# KiCad board ardumower mega shield svn.kicad_pcb (continued)
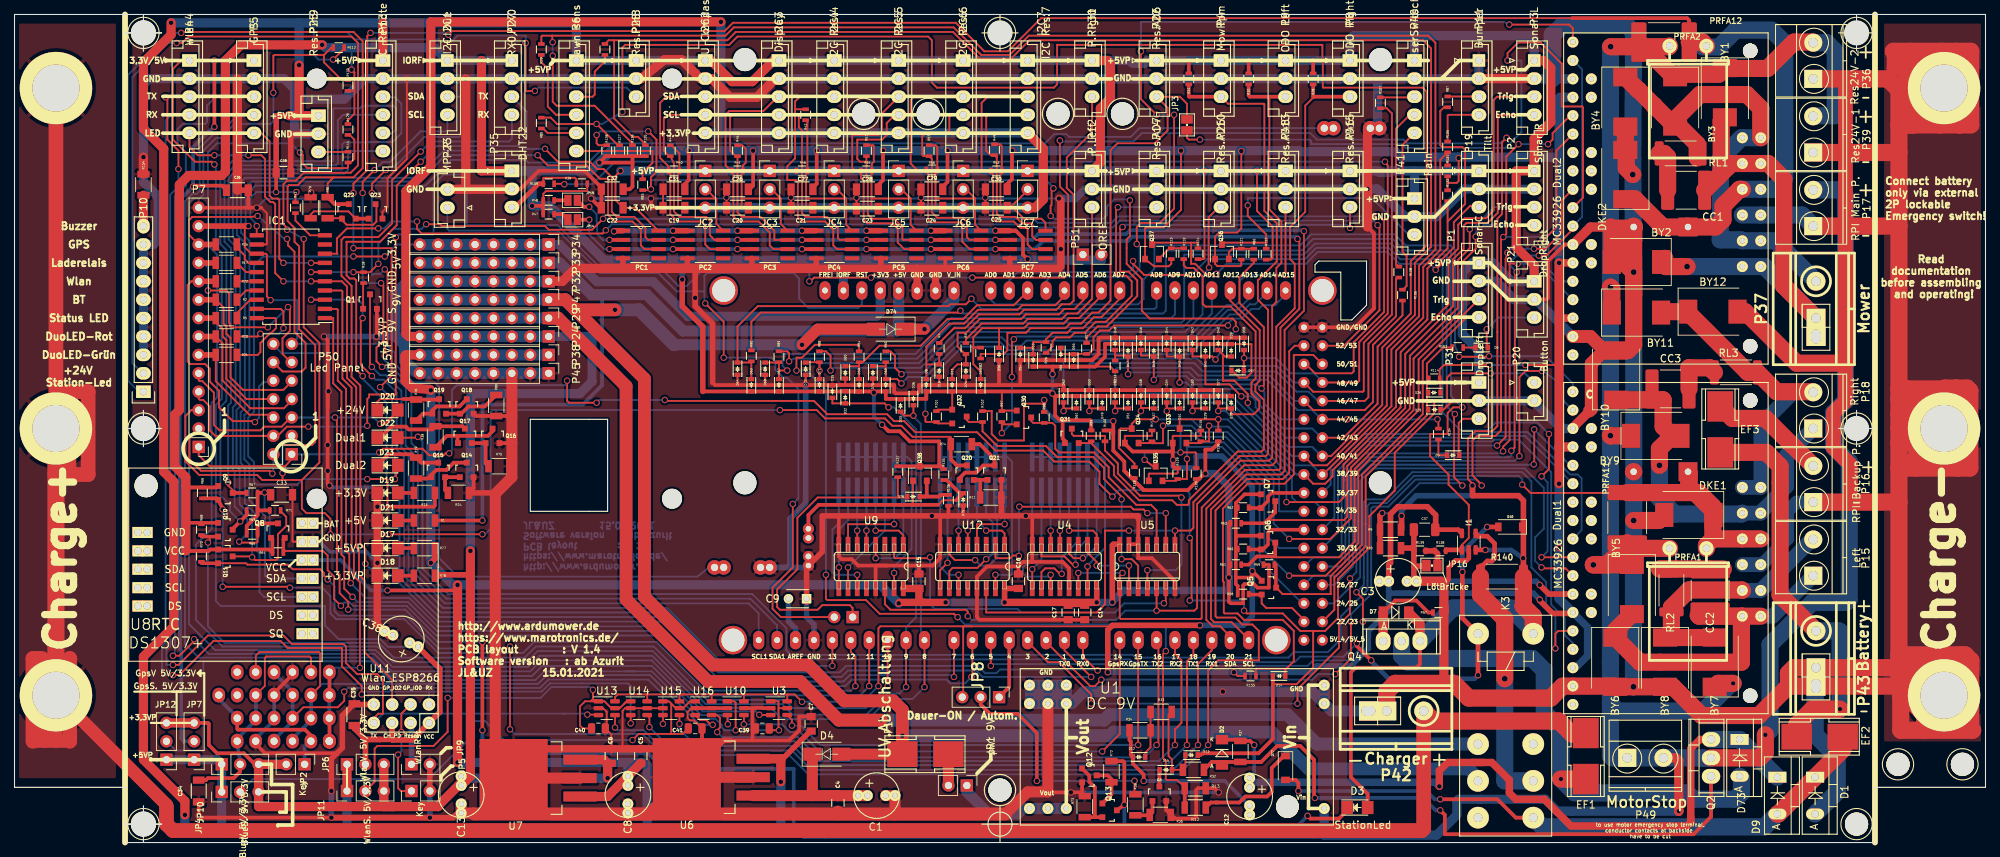
[diagram p0: board, top side]
## Nets (continued)
/Anschlußstecker/Eingang3: P4.3 R31.2 U5.8 U12.14
/Batterieeingang 24V: C12.1 D2.1 D9.1 D73.1 Q2.3 R37.1
/Eingang: D73.2 EF1.2 Q4.2
/Motortreiber/D1_M1_IN1: BY5.2 BY6.1 CC2.1 Dual1.19 P15.1
/Motortreiber/D1_M1_IN1_1: BY9.2 BY10.1 CC3.1 Dual1.23 P18.1
/Motortreiber/D1_M1_IN2: BY11.2 BY12.1 Dual1.24 P18.2 RL3.2
/Motortreiber/D1_M1_IN2_1: BY7.2 BY8.1 Dual1.20 P15.2 RL2.2
/Motortreiber/D2_M2_IN1: BY1.2 BY2.1 CC1.1 Dual2.19 Dual2.23 P37.1
/Motortreiber/D2_M2_IN2: BY3.2 BY4.1 Dual2.20 Dual2.24 P37.2 RL1.2
/Vout-: I1.4 K3.12 R140.2
Charg_Pin_+: B9.1 B10.1 B11.1 EF1.1 P42.2
DHT22: P35.3 R39.2 R109.1
DropLeft: D5.1 P31.3
DropRight: D6.1 P21.3
Dual1: C10.1 D22.2 DKE1.1 Dual1.22 PRFA1.1 PRFA11.1
Dual2: C11.1 D23.2 DKE2.1 Dual2.22 PRFA2.1 PRFA12.1
DuoLED-Rot: IC1.2 SHIELD1.7
DuoLED_Grün: IC1.1 SHIELD1.6
GPS-LED: IC1.7 P5.5
GPS_RX: SHIELD1.15 U3.4
GPS_TX: SHIELD1.14 U10.4
IOREF: C3.1 C26.1 C27.1 C28.1 C29.1 C30.1 C31.1 C32.1 C37.1 D8.1 D11.1 D26.1 D28.1 D29.1 D31.1 D32.1 D33.1 D37.1 D39.1 D41.1 D43.1 D45.1 D47.1 D49.1 D51.1 D53.1 D55.1 D57.1 D59.1 D61.1 D63.1 D65.1 D67.1 D69.1 D71.1 Dual1.3 Dual1.6 Dual1.15 Dual2.3 Dual2.6 Dual2.15 I1.5 I2C1.1 JP8.3 P27.1 P35.1 P51.1 P51.2 PC1.1 PC2.1 PC3.1 PC4.1 PC5.1 PC6.1 PC7.1 Q5.1 Q6.1 Q7.1 Q8.1 Q9.1 Q10.1 Q11.1 Q30.1 Q31.1 Q32.1 Q33.1 Q34.1 Q35.1 Q36.1 Q37.1 Q38.3 R39.1 R47.1 R48.1 R58.1 R60.1 R62.1 R64.1 R66.1 R68.1 R70.1 R97.1 R99.1 R101.1 R113.2 R114.2 R115.1 R117.1 R119.1 R121.1 R123.1 R125.2 R126.2 R127.2 R128.2 R129.2 R130.2 R131.2 R132.2 R133.2 R135.1 R137.2 SHIELD1.IORE U3.6 U10.6 U13.6 U14.6 U15.6 U16.6
Led-BT: IC1.4 U2.LED
Led-Status: IC1.3 SHIELD1.13
Led-Wlan: IC1.5 P44.5 U11.GP_2
no_connect_300: Dual1.1
no_connect_301: Dual1.11
no_connect_302: Dual1.12
no_connect_303: Dual2.1
no_connect_304: Dual2.11
no_connect_305: Dual2.12
no_connect_306: IC1.9
no_connect_307: K3.14
no_connect_308: PC1.5
no_connect_309: PC2.5
no_connect_310: PC3.5
no_connect_311: PC4.5
no_connect_312: PC5.5
no_connect_313: PC6.5
no_connect_314: PC7.5
no_connect_315: SHIELD1.5V_4
no_connect_316: SHIELD1.5V_5
no_connect_317: SHIELD1.FREI
no_connect_318: U12.12
no_connect_319: U12.3
no_connect_320: U4.12
no_connect_321: U4.3
no_connect_322: U8.1
no_connect_323: U9.12
no_connect_324: U9.3
pinBatteryVoltage: R12.2 R13.1 R84.1
pinBumperLeft: P11.4 R105.1
pinBumperRight: P11.3 R87.1
pinButton: D14.2 R133.1 SHIELD1.51
pinBuzzer: IC1.8 SHIELD1.53
pinChargeCurrent: I1.1 R90.1 R138.1
pinChargeVoltage: R9.2 R10.1 R89.1
pinChargingEnable: IC1.6 R18.1 SHIELD1.50
pinLawnBackRecv: P6.6 R83.1
pinLawnBackSend: P6.5 R85.1
pinLawnFrontRecv: P6.4 R29.1
pinLawnFrontSend: P6.3 R54.1
pinMotorEnable: Dual1.10 SHIELD1.37
pinMotorLeftDir: Dual1.4 SHIELD1.31
pinMotorLeftFault: Dual1.8 SHIELD1.25
pinMotorLeftPWM: Dual1.5 SHIELD1.5
pinMotorLeftSense: Dual1.9 SHIELD1.AD1
pinMotorMowDir: Dual2.4 Dual2.13 SHIELD1.29
pinMotorMowEnable: Dual2.10 SHIELD1.28
pinMotorMowFault: Dual2.8 Dual2.17 SHIELD1.26
pinMotorMowPWM: Dual2.5 Dual2.14 SHIELD1.2
pinMotorMowRpm_neu: Q30.2 R97.2 SHIELD1.AD11
pinMotorMowSense: Dual2.18 SHIELD1.AD3
pinMotorRightDir: Dual1.13 SHIELD1.33
pinMotorRightFault: Dual1.17 SHIELD1.27
pinMotorRightPWM: Dual1.14 SHIELD1.3
pinMotorRightSense: Dual1.18 SHIELD1.AD0
pinOdometryLeft: Q31.2 R99.2 SHIELD1.AD12
pinOdometryRight: Q32.2 R101.2 SHIELD1.AD14
pinPerimeterLeft: P12.3 R3.1
pinPerimeterRight: P30.3 R4.1
pinRain: Q36.2 R86.1 R121.2
pinRemoteMow: Q8.2 R64.2 SHIELD1.12
pinRemoteSpeed: Q10.2 R68.2 SHIELD1.10
pinRemoteSteer: Q9.2 R66.2 SHIELD1.11
pinRemoteSwitch: Q11.2 R70.2 SHIELD1.52
pinSonarCenterEcho: Q5.2 R58.2 SHIELD1.22
pinSonarCenterTrigger: Q35.2 R119.2 SHIELD1.24
pinSonarLeftEcho: Q7.2 R62.2 SHIELD1.36
pinSonarLeftTrigger: Q33.2 R115.2 SHIELD1.34
pinSonarRightEcho: Q6.2 R60.2 SHIELD1.32
pinSonarRightTrigger: Q34.2 R117.2 SHIELD1.30
pinTilt: Q37.2 R110.1 R123.2
pinUserSwitch1: P40.5 R106.1
pinUserSwitch2: P40.4 R108.1
pinUserSwitch3: P40.3 R107.1
RelaisAbschaltung: JP8.1 SHIELD1.4
ReserveAD6: JP3.1 P22.3 R82.1
ReserveAD7: P14.3 R26.1
ReserveAD10: P26.3 R88.1
ReservePin8: P28.3 R112.1
ReservePin9: P25.3 R111.1
Reset: JP13.2 P23.1 SHIELD1.RST
Resv.PinAD13: P48.3 R50.1
Resv.PinAD15: P46.3 R27.1
RX0: P27.3 SHIELD1.0
RX1: SHIELD1.19 U13.4
RX2: SHIELD1.17 U15.4
SCL: JP15.1 PC1.2 PC2.2 PC3.2 PC4.2 PC5.2 PC6.2 PC7.2 SHIELD1.21
SCL1: PC1.7 U8.5
SCL2: I2C2.4 PC2.7 R44.2
SCL3: I2C3.4 PC3.7 R45.2
SCL4: I2C4.4 PC4.7 R46.2
SCL5: I2C5.4 PC5.7 R51.2
SCL6: I2C6.4 PC6.7 R52.2
SCL7: I2C7.4 PC7.7 R49.2
SCL22: I2C1.4 SHIELD1.SCL1
SDA: JP14.1 PC1.3 PC2.3 PC3.3 PC4.3 PC5.3 PC6.3 PC7.3 SHIELD1.20
SDA1: PC1.6 U8.4
SDA2: I2C2.3 PC2.6 R40.2
SDA3: I2C3.3 PC3.6 R41.2
SDA4: I2C4.3 PC4.6 R42.2
SDA5: I2C5.3 PC5.6 R55.2
SDA6: I2C6.3 PC6.6 R56.2
SDA7: I2C7.3 PC7.6 R53.2
SDA22: I2C1.3 SHIELD1.SDA1
StationLed: D3.2 D7.1 D10.1 I1.3 K3.8 P7.4 P50.4 Q4.3 R9.1 R140.1
Taster: D13.1 D14.1 P7.1 P20.1 P50.1
TX0: P27.4 SHIELD1.1
TX1: SHIELD1.18 U14.4
TX2: SHIELD1.16 U16.4
Net-(B1-Pad1): B1.1
Net-(B2-Pad1): B2.1
Net-(B3-Pad1): B3.1
Net-(B4-Pad1): B4.1
Net-(B5-Pad1): B5.1
Net-(B6-Pad1): B6.1
Net-(B7-Pad1): B7.1
Net-(B8-Pad1): B8.1
Net-(B17-Pad1): B17.1
Net-(B18-Pad1): B18.1
Net-(B19-Pad1): B19.1
Net-(B20-Pad1): B20.1
Net-(B21-Pad1): B21.1
Net-(B22-Pad1): B22.1
Net-(C1-Pad1): C1.1 C4.1 D4.1 U6.1
Net-(C2-Pad1): C2.1 D75.1 Q38.1 R135.2
Net-(C9-Pad2): C9.2 SHIELD1.AREF
Net-(C12-Pad2): C12.2 D12.2 R34.1
Net-(C19-Pad1): C19.1 JC2.2 PC2.8 R40.1 R44.1
Net-(C20-Pad1): C20.1 JC3.2 PC3.8 R41.1 R45.1
Net-(C21-Pad1): C21.1 JC4.2 PC4.8 R42.1 R46.1
Net-(C23-Pad1): C23.1 JC5.2 PC5.8 R51.1 R55.1
Net-(C24-Pad1): C24.1 JC6.2 PC6.8 R52.1 R56.1
Net-(C25-Pad1): C25.1 JC7.2 PC7.8 R49.1 R53.1
Net-(C34-Pad1): C34.1 JP4.2 U2.VCC
Net-(C35-Pad1): C35.1 C38.1 JP6.2 P44.1 U11.CH_P U11.VCC
Net-(C36-Pad1): C36.1 JP7.2 P5.1
Net-(C39-Pad1): C39.1 JP12.2 U3.1 U3.5 U10.1
Net-(C40-Pad1): C40.1 JP11.2 U13.1 U13.5 U14.1
Net-(C41-Pad1): C41.1 JP10.2 U15.1 U15.5 U16.1
Net-(CC1-Pad2): CC1.2 RL1.1
Net-(CC2-Pad2): CC2.2 RL2.1
Net-(CC3-Pad2): CC3.2 RL3.1
Net-(D1-Pad1): D1.1 D9.2 D77.2 EF2.1 K3.16
Net-(D2-Pad2): D2.2 Q2.1 R32.2 R37.2
Net-(D3-Pad1): D3.1 Q13.3 R72.1
Net-(D5-Pad2): D5.2 R104.1
Net-(D6-Pad2): D6.2 R103.1
Net-(D7-Pad2): D7.2 Q4.1 R57.1
Net-(D10-Pad2): D10.2 K3.9 Q1.3
Net-(D11-Pad2): D11.2 D24.1 R3.2 SHIELD1.AD5
Net-(D12-Pad1): D12.1 R33.1 R34.2
Net-(D13-Pad2): D13.2 D15.2 R32.1 R33.2
Net-(D15-Pad1): D15.1 Q3.3
Net-(D16-Pad1): D8.2 D16.1 R4.2 SHIELD1.AD4
Net-(D17-Pad2): D17.2 R77.2
Net-(D18-Pad2): D18.2 R78.2
Net-(D19-Pad2): D19.2 R23.2
Net-(D20-Pad1): D20.1 Q19.3 R76.1
Net-(D21-Pad2): D21.2 R1.2
Net-(D22-Pad1): D22.1 Q17.3 R38.1
Net-(D23-Pad1): D23.1 Q15.3 R19.1
Net-(D25-Pad1): D25.1 D26.2 R103.2 R114.1 SHIELD1.23
Net-(D27-Pad1): D27.1 D28.2 R110.2 SHIELD1.35
Net-(D29-Pad2): D29.2 D30.1 R87.2 R132.1 SHIELD1.38
Net-(D31-Pad2): D31.2 D34.1 R105.2 R131.1 SHIELD1.39
Net-(D32-Pad2): D32.2 D35.1 R111.2 R129.1 SHIELD1.9
Net-(D33-Pad2): D33.2 D36.1 R112.2 R130.1 SHIELD1.8
Net-(D37-Pad2): D37.2 D38.1 R29.2 R126.1 SHIELD1.40
Net-(D39-Pad2): D39.2 D40.1 R54.2 R125.1 SHIELD1.41
Net-(D41-Pad2): D41.2 D42.1 R83.2 R128.1 SHIELD1.42
Net-(D43-Pad2): D43.2 D44.1 R85.2 R127.1 SHIELD1.43
Net-(D45-Pad2): D45.2 D46.1 R86.2 SHIELD1.44
Net-(D47-Pad2): D47.2 D48.1 R104.2 R113.1 SHIELD1.45
Net-(D49-Pad2): D49.2 D50.1 R108.2 SHIELD1.47
Net-(D51-Pad2): D51.2 D52.1 R106.2 SHIELD1.46
Net-(D53-Pad2): D53.2 D54.1 R26.2 SHIELD1.AD7
Net-(D55-Pad2): D55.2 D56.1 R82.2 SHIELD1.AD6
Net-(D57-Pad2): D57.2 D58.1 R109.2 SHIELD1.49
Net-(D59-Pad2): D59.2 D60.1 R84.2 SHIELD1.AD2
Net-(D61-Pad2): D61.2 D62.1 R107.2 SHIELD1.48
Net-(D63-Pad2): D63.2 D64.1 R90.2 SHIELD1.AD8
Net-(D65-Pad2): D65.2 D66.1 R27.2 SHIELD1.AD15
Net-(D67-Pad2): D67.2 D68.1 R89.2 SHIELD1.AD9
Net-(D69-Pad2): D69.2 D70.1 R50.2 SHIELD1.AD13
Net-(D71-Pad2): D71.2 D72.1 R88.2 SHIELD1.AD10
Net-(D74-Pad1): D74.1 SHIELD1.V_IN
Net-(D76-Pad1): D76.1 Q38.2 R136.1
Net-(D76-Pad2): D76.2 JP13.1 R137.1
Net-(D77-Pad1): D77.1 R12.1
Net-(Dual2-Pad9): Dual2.9 JP3.2
Net-(EF2-Pad2): EF2.2 EF3.1 P43.2
Net-(EF3-Pad2): EF3.2 P16.2
Net-(F1-Pad1): F1.1 JP1.2
Net-(IC1-Pad10): IC1.10 R43.2
Net-(IC1-Pad13): IC1.13 P7.13 P50.13 SP1.2 SP2.2
Net-(IC1-Pad14): IC1.14 R25.1
Net-(IC1-Pad15): IC1.15 R17.1
Net-(IC1-Pad16): IC1.16 R22.1
Net-(IC1-Pad17): IC1.17 R2.1
Net-(IC1-Pad18): IC1.18 R5.1
Net-(IC1-Pad19): IC1.19 R20.1
Net-(IC1-Pad20): IC1.20 R21.1
Net-(JP1-Pad1): JP1.1 U1.2
Net-(JP2-Pad1): JP2.1 U2.Key
Net-(JP5-Pad1): JP5.1 U11.GP_0
Net-(JP8-Pad2): JP8.2 R36.2
Net-(JP9-Pad1): JP9.1 U11.Rese
Net-(JP14-Pad2): JP14.2 R47.2
Net-(JP15-Pad2): JP15.2 R48.2
Net-(JP16-Pad1): JP16.1 R138.2 R139.1
Net-(K3-Pad1): K3.1
Net-(P5-Pad3): P5.3 U3.3
Net-(P5-Pad4): P5.4 U10.3
Net-(P10-Pad1): P7.2 P10.1 P50.2 Q22.3 R81.1
Net-(P10-Pad2): P7.3 P10.2 P50.3 Q20.3 R74.1
Net-(P10-Pad10): P10.10 R134.1
Net-(P44-Pad3): P44.3 U11.TX U13.3
Net-(P44-Pad4): P44.4 U11.RX U14.3
Net-(P50-Pad6): P7.6 P50.6 R21.2
Net-(P50-Pad7): P7.7 P50.7 R20.2
Net-(P50-Pad8): P7.8 P50.8 R5.2
Net-(P50-Pad9): P7.9 P50.9 R2.2
Net-(P50-Pad10): P7.10 P50.10 R22.2
Net-(P50-Pad11): P7.11 P50.11 R17.2
Net-(P50-Pad12): P7.12 P50.12 R25.2
Net-(Q1-Pad1): Q1.1 R18.2
Net-(Q3-Pad1): Q3.1 R35.1 R36.1
Net-(Q12-Pad1): Q12.1 Q13.2 R73.1
Net-(Q12-Pad3): Q12.3 Q13.1 R72.2
Net-(Q14-Pad1): Q14.1 Q15.2 R24.1
Net-(Q14-Pad3): Q14.3 Q15.1 R19.2
Net-(Q16-Pad1): Q16.1 Q17.2 R75.1
Net-(Q16-Pad3): Q16.3 Q17.1 R38.2
Net-(Q18-Pad1): Q18.1 Q19.2 R80.1
Net-(Q18-Pad3): Q18.3 Q19.1 R76.2
Net-(Q20-Pad1): Q20.1 Q21.3 R74.2
Net-(Q20-Pad2): Q20.2 Q21.1 R11.1
Net-(Q22-Pad1): Q22.1 Q23.3 R81.2
Net-(Q22-Pad2): Q22.2 Q23.1 R79.1
Net-(S1-Pad1): S1.1 S1.9 S1.10 S1.11 S1.12 S1.13 S1.14 S1.15 S1.16 U4.4 U4.15
Net-(S1-Pad2): S1.2 U4.7
Net-(S1-Pad3): S1.3 U4.10
Net-(S1-Pad4): S1.4 U4.1
Net-(S1-Pad5): S1.5 U4.5
Net-(S1-Pad6): S1.6 U4.6
Net-(S1-Pad7): S1.7 U4.9
Net-(S1-Pad8): S1.8 U4.11
Net-(S2-Pad1): S2.1 S2.9 S2.10 S2.11 S2.12 S2.13 S2.14 S2.15 S2.16 U9.4 U9.15
Net-(S2-Pad2): S2.2 U9.7
Net-(S2-Pad3): S2.3 U9.10
Net-(S2-Pad4): S2.4 U9.1
Net-(S2-Pad5): S2.5 U9.5
Net-(S2-Pad6): S2.6 U9.6
Net-(S2-Pad7): S2.7 U9.9
Net-(S2-Pad8): S2.8 U9.11
Net-(S3-Pad1): S3.1 S3.9 S3.10 S3.11 S3.12 S3.13 S3.14 S3.15 S3.16 U12.4 U12.15
Net-(S3-Pad2): S3.2 U12.7
Net-(S3-Pad3): S3.3 U12.10
Net-(S3-Pad4): S3.4 U12.1
Net-(S3-Pad5): S3.5 U12.5
Net-(S3-Pad6): S3.6 U12.6
Net-(S3-Pad7): S3.7 U12.9
Net-(S3-Pad8): S3.8 U12.11
Net-(U4-Pad2): U4.2 U5.2
Net-(U5-Pad6): U5.6 U9.2
Net-(U5-Pad11): U5.11
Net-(U8-Pad6): U8.6
Net-(U8-Pad7): U8.7
Net-(U12-Pad2): U5.9 U12.2
Net-(U15-Pad3): U2.TXD U15.3
Net-(U16-Pad3): U2.RXD U16.3

Pads without a net: Dual1 25 26 27 28 29 30 31 ~; Dual2 25 26 27 28 29 30 31 ~; U1 ~; U2 BRK EN; U8 8 9 10 11 12 ~

## Via types
v1: diameter 0.889, hole 0.635, Top to Bottom, 469 vias
v2: diameter 1.3, hole 0.6, Top to Bottom, 5 vias
v3: diameter 1.6, hole 0.8, Top to Bottom, 11 vias

## Routing (per net, layer and track width the routed paths; a pad name or vN(x,y) marks a point on that pad's centre or on a via; arc(x,y) is an arc through that point)
9Vgeschaltet: length 188.2
  Top w1.778: v1(119.51,16.89) 113.66,16.89 108.33,22.23 95.66,22.23 84.33,33.55 84.33,62.99 74.93,72.39 P29.1
  Bottom w1.524: P29.8 P29.7 P29.6 P29.5 P29.4 P29.3 P29.2 P29.1
  Bottom w1.778: v1(119.51,16.89) 150.24,16.89 151,17.65 175.51,17.65 179.58,13.59 K3.3
+3.3VP: length 402.1
  Top w0.508: JP7.3 26.67,16.51 26.8,16.38 26.8,13.46 27.94,12.32 31.62,12.32 33.15,10.79 JP4.3 33.66,10.92 ; 81.8,10.94 81.79,10.92 C6.1 81.8,10.94
  Top w0.762: 62.86,36.96 58.8,36.96 58.67,36.83 R78.1
  Top w1.27: P24.8 54.36,69.85 53.97,70.23 53.97,89.92 57.4,93.34 57.4,113.28 v1(97.41,113.28) ; v1(81.79,8.89) 81.79,10.92 81.28,11.43 U7.3 ; 52.2,4.95 58.42,4.95 58.42,5.08 61.21,7.87 C13.1 ; 52.2,4.95 50.93,4.95 50.93,10.79 ; 52.2,4.95 33.66,4.95 JP10.3 JP4.3 JP2.2 ; v1(62.86,40.26) 62.86,9.14 C13.1 ; C13.1 C13.1 ; I2C7.5 141.86,95.79 141.86,88.77 140.72,87.63 JC7.3 ; JP7.3 JP12.3
  Bottom w1.27: 97.54,97.95 I2C2.5 ; 97.54,97.95 97.41,98.08 v1(97.41,113.28) ; 97.54,97.95 I2C3.5 I2C4.5 I2C5.5 I2C6.5 I2C7.5 ; P24.1 79.63,69.85 79.63,63.63 77.98,61.98 63.37,61.98 62.86,61.47 v1(62.86,40.26) ; C13.1 62.61,8.89 v1(81.79,8.89) ; JC7.3 JC6.3 JC5.3 JC4.3 JC3.3 JC2.3
  Bottom w1.524: P24.8 P24.7 P24.6 P24.5 P24.4 P24.3 P24.2 P24.1
+3V3: length 157.2
  Top w0.254: 51.44,46.36 51.44,50.04 51.31,50.17 v1(48.64,50.17) ; v1(46.74,80.9) v1(51.05,80.9)
  Top w0.508: R23.1 57.97,46.53 57.78,46.36 51.44,46.36
  Bottom w0.254: 55.37,82.04 P34.8 52.7,82.55 v1(51.05,80.9) ; v1(46.74,80.9) 34.29,80.9 33.02,79.63 33.02,59.44 32.23,58.64 32.23,53.31 33.02,52.51 33.02,49.78 33.4,49.4 38.99,49.4 39.75,50.17 v1(48.64,50.17) ; SHIELD1.3V3 119.38,76.07
  Bottom w1.27: P34.1 75.18,82.55 80.33,77.41 88.07,77.41 92.84,72.64 118.87,72.64 119.38,73.15 SHIELD1.3V3
  Bottom w1.524: P34.8 P34.7 P34.6 P34.5 P34.4 P34.3 P34.2 P34.1
+5V: length 128
  Top w0.508: R1.1 v1(64.52,44.45)
  Bottom w0.508: 81.03,75.63 81.03,63.12 78.36,60.45 64.64,60.45 64.52,60.33 v1(64.52,44.45)
  Bottom w1.524: SHIELD1.5V 121.92,70.87 121.67,70.61 92.2,70.61 87.19,75.63 79.57,75.63 75.18,80.01 P33.1 P33.2 P33.3 P33.4 P33.5 P33.6 P33.7 P33.8
+5VP: length 1184.3
  Top w0.254: 145.92,33.15 145.53,32.75 C17.1 ; 144.65,33.15 145.05,32.75 C17.1 ; 36.08,92.22 35.94,92.08 C18.1 ; 83.9,87.6 C22.1 ; C22.1 85.6,87.63 88.77,84.45 PC1.8 ; C22.1 82.87,88.69 82.87,92.01 v1(83.57,92.71) ; R98.1 141.99,60.58 139.32,60.58 139.19,60.45 139.19,55.5 135.64,55.5 134.75,56.39 134.75,59.54 134.74,59.55 R102.1 ; v1(171.32,92.71) 171.32,87.19 173.48,85.03 173.48,80.71 173.24,80.47 R122.1 ; v1(164.08,92.71) 164.08,80.64 163.97,80.53 R124.1 163.27,80.53 ; v1(34.48,48.32) 34.67,48.26 ; v1(38.86,89.79) 38.73,89.66 R43.1 ; IC1.11 v1(33.4,85.09) ; C17.1 145.29,33.15
  Top w0.48: 167.45,44.07 v1(167.45,36.58) 167.45,33.21 167.52,33.21 167.7,33.02 169.42,33.02 169.42,35.5 169.61,35.69 170.88,35.69 171.39,35.18 172.97,35.18 172.97,38.35 R59.1
  Top w0.508: 170.18,107.95 P9.1 179.07,107.95 179.07,106.36 ; 170.18,107.95 P4.1 161.93,107.95 161.93,106.36 ; 170.18,107.95 170.18,106.36 ; 122.6,35.07 U9.16 ; 136.57,35.07 U12.16 ; 163.45,50.29 164.08,50.93 v1(164.21,50.93) 164.21,54.23 165.1,54.23 165.99,55.12 R116.1 ; 163.45,50.29 163.33,50.18 R120.1 ; 163.45,50.29 161.8,48.64 155.7,48.64 155.64,48.7 ; R100.1 151.5,56.88 151.51,56.9 151.51,56.39 ; 153.04,51.31 154.04,50.3 R118.1 154.43,49.91 155.64,48.7 ; 153.04,51.31 153.04,52.58 151.51,54.1 151.51,56.39 ; 153.04,51.31 155.64,48.7 ; 151.51,56.39 v1(151.51,58.17) ; v1(141.99,61.09) 141.99,60.58 ; 35.25,48.26 33.72,48.26 ; v1(51.44,34.8) 61.09,34.8 ; v1(36.07,89.79) 36.08,89.81 C18.1 ; R71.1 R69.1 ; R69.1 33.52,45.2 32.02,43.7 R65.1 ; R69.1 R67.1 ; C14.1 C17.1 ; 35.45,48.26 35.45,48.27
  Top w0.762: v1(136.53,33.15) U12.16 ; v1(149.23,33.15) U4.16 ; U5.14 151.54,41.17 151.38,41.02 v1(151.38,33.15) ; 36.08,92.06 C18.1 36.08,100.31 36.07,100.33 37.85,100.33 ; v1(57.4,38.61) 57.97,39.17 R77.1 ; 105.66,11.3 109.74,15.38 C7.1 ; C16.1 136.57,35.07 ; U7.1 79.25,6.35
  Top w1.016: v1(149.23,33.15) v1(136.53,33.15) ; 125.48,33.15 124.71,33.15 C15.1 122.6,35.07 ; 125.48,33.15 122.05,33.15 v1(121.92,33.02) ; 125.48,33.15 v1(128.4,33.15)
  Top w1.27: I2C3.1 104.65,107.95 101.73,105.03 98.93,105.03 96.01,107.95 I2C2.1 ; P12.1 149.73,93.85 149.73,101.35 151.13,102.74 151.13,107.57 150.75,107.95 P30.1 ; 39.24,100.33 37.85,100.33 ; 39.24,100.33 P25.1 ; 39.24,100.33 v1(39.24,107.31) ; P38.8 53.97,67.31 53.85,67.18 53.85,63.75 54.86,62.74 57.28,62.55 v1(57.4,62.42) ; U6.3 105.66,11.56 v1(105.66,8.38) ; v1(61.09,11.05) v1(61.09,35.56) ; v1(23.5,3.81) 23.5,5.72 17.78,11.43 17.78,25.65 21.97,29.84 21.97,49.78 20.57,51.18 20.57,95.76 17.78,98.55 17.78,107.7 21.59,111.51 v1(21.59,113.16) ; C5.1 84.58,9.16 C8.1 81.79,6.35 U7.1 ; P21.1 209.55,79.69 207.07,82.17 207.07,92.71 P2.1 209.55,97.16 211.84,99.44 211.84,106.93 210.82,107.95 P3.1 ; P13.1 v1(50.8,113.16) ; JP11.1 JP6.1
  Bottom w0.254: v1(38.86,89.79) v1(36.07,89.79) 33.34,89.79 32.51,88.96 32.51,86.23 33.4,85.34 v1(33.4,85.09) ; U8.3 35.56,38.99 35.18,39.37 35.18,45.47 34.48,46.16 v1(34.48,48.32) ; 39.52,38.99 41.02,38.99
  Bottom w0.508: v1(151.51,58.17) 143.64,58.17 141.99,59.82 v1(141.99,61.09) ; v1(51.44,34.8) 49.15,34.8 44.96,38.99 U8.3
  Bottom w1.016: v1(128.4,33.15) v1(136.53,33.15) ; v1(149.23,33.15) v1(151.38,33.15) 151.38,33.27 152.91,34.8 167.51,34.8 167.51,36.52 v1(167.45,36.58) 167.45,49.08 165.61,50.93 v1(164.21,50.93)
  Bottom w1.27: 201.93,63.69 P31.1 201.93,67.88 199.64,70.17 199.64,78.68 200.98,80.01 P1.1 203.89,80.01 206.5,77.41 209.49,77.41 P21.1 ; v1(121.92,33.02) 119.38,35.56 v1(61.09,35.56) 60.45,35.56 v1(57.4,38.61) v1(57.4,62.42) ; v1(21.59,113.16) 39.24,113.16 ; 39.24,113.16 v1(50.8,113.16) 77.47,113.16 P6.1 P28.1 I2C2.1 ; 39.24,113.16 v1(39.24,107.31) ; 87.25,1.52 45.85,1.52 ; 87.25,1.52 87.25,10.67 86.87,11.05 84.58,11.05 ; 87.25,1.52 105.66,1.52 v1(105.66,8.38) ; 45.85,1.52 28.57,1.52 ; 45.85,1.52 JP11.1 ; 193.04,111.38 209.04,111.38 209.55,110.87 P3.1 ; 193.04,111.38 184.66,111.38 184.15,110.87 P8.1 P9.1 P4.1 P22.1 156.21,107.95 155.83,107.57 154.18,107.57 153.8,107.95 P30.1 I2C7.1 I2C6.1 I2C5.1 I2C4.1 I2C3.1 ; 193.04,111.38 P40.1 ; v1(23.5,3.81) 23.5,1.91 23.88,1.52 28.57,1.52 ; 28.57,1.52 JP10.1 JP4.1 27.94,11.43 JP7.1 JP12.1 ; 193.04,92.71 189.8,92.71 189.61,92.52 188.15,92.52 187.96,92.71 P46.1 P48.1 v1(171.32,92.71) P26.1 v1(164.08,92.71) P14.1 P12.1 JC7.1 JC6.1 JC5.1 JC4.1 JC3.1 JC2.1 v1(83.57,92.71) ; 193.04,92.71 P41.1 ; 193.04,92.71 P19.1 ; 84.58,11.05 C8.1 C8.1 ; 84.58,11.05 v1(61.09,11.05)
  Bottom w1.524: P38.8 P38.7 P38.6 P38.5 P38.4 P38.3 P38.2 P38.1
+9V: length 249.6
  Top w1.524: v1(108.58,68.71) 110.74,70.87 D74.2 ; 122.43,11.68 F1.2 D4.2
  Top w1.778: 77.34,73.53 75.95,74.93 P47.1 ; 77.34,73.53 v1(82.8,73.53) ; 77.34,73.53 86.87,64.01 86.87,33.91 96.27,24.51 109.47,24.51 114.43,19.56 121.16,19.56 122.43,18.29 v1(122.43,14.73) F1.2
  Bottom w1.524: P47.1 P47.2 P47.3 P47.4 P47.5 P47.6 P47.7 P47.8 ; v1(108.58,68.71) 90.93,68.71
  Bottom w1.778: 90.93,68.71 86.11,73.53 v1(82.8,73.53) ; v1(122.43,14.73) 151,14.73 151.51,15.24 173.36,15.24 178.44,10.16 200.53,10.16 201.8,8.89 K3.5
+24V: length 603.2
  Top w0.254: 52.85,59.59 51.05,57.78 v1(50.42,57.78) ; P7.5 25.4,63.82 25.53,63.69 25.91,63.69 27.5,62.1 27.5,57.66 28.26,56.9 33.91,56.9 34.42,57.4 36.83,57.4 38.1,58.67 P50.5 37.85,58.67 ; D20.2 52.85,59.46 ; v1(44.2,58.67) 44.45,58.42 44.45,37.34 44.83,36.96 44.83,34.42 46.02,33.23 v1(46.02,32.15)
  Top w0.508: v1(64.52,15.49) v1(64.52,27.69) ; D20.2 52.85,59.59
  Top w1.27: P49.2 229.11,11.68 229.49,11.3 v2(229.49,4.32)
  Top w2.358: 221.11,39.88 219.55,38.33 v3(217.71,38.33) BY5.1 223.01,40.72 PRFA11.2 223.12,40.61 PRFA1.2 ; BY9.1 220.09,56.13 v3(220.06,56.17) ; v3(220.06,76.68) 220.25,76.49 BY11.1 ; v2(241.43,14.86) 241.43,12.45 240.67,11.68 Q2.2 ; BY7.1 234.92,21.97 v2(236.98,21.97) ; P36.2 247.95,110.49 245.36,110.49 241.72,106.85 235.89,106.85 BY1.1 234.98,106.05 229.39,106.05 BY3.1 228.84,105.63 PRFA12.2 ; v3(220.09,109.86) 228.12,109.86 PRFA2.2
  Bottom w0.254: 180.34,4.95 U1.3 ; v1(50.42,57.78) 49.53,58.67 v1(44.2,58.67) P50.5 ; v1(46.02,32.15) 53.87,32.15 58.33,27.69 v1(64.52,27.69)
  Bottom w0.5: 111.76,0.76 108.84,0.76 107.44,2.16 107.44,6.48
  Bottom w0.508: 111.76,0.76 180.34,0.76 180.59,1.02 ; 107.44,6.48 107.44,10.16 89.53,10.16 87.38,12.32 65.15,12.32 64.52,12.95 v1(64.52,15.49)
  Bottom w1.27: U1.3 180.59,1.02 196.09,1.02 198.88,3.81 198.88,5.72 199.14,5.97 211.07,5.97 212.73,4.32 v2(229.49,4.32)
  Bottom w1.778: 248.03,110.49 247.65,110.49
  Bottom w2.358: 248.03,100.33 251.08,100.33 251.08,109.22 249.89,110.41 P36.2 ; v2(236.98,21.97) 236.73,21.97 232.89,18.14 221.08,18.14 220.06,19.16 ; 220.06,19.16 220.06,25.02 ; 220.06,19.16 220.06,11.97 220.34,11.68 P49.1 P49.2 232.78,11.68 232.85,11.61 233.93,11.61 ; P17.2 251.67,90.09 252.48,89.28 252.48,60.96 250.82,59.31 250.82,54.61 252.86,52.58 252.98,52.58 252.98,33.53 252.6,33.15 247.9,33.15 242.06,27.31 242.06,15.49 v2(241.43,14.86) ; 220.06,38.45 219.94,38.33 v3(217.71,38.33) ; 220.06,38.45 v3(220.06,56.17) v3(220.06,76.68) 220.06,109.82 v3(220.09,109.86) ; 220.06,38.45 220.06,24.64
/Anschlußstecker/5V_IN: length 58.9
  Top w0.254: P19.3 201.76,87.88 200.72,87.88 198.47,85.63 198.47,82.14 196.66,80.33 196.66,79.76 v1(195.96,79.06) ; Q37.3 157.12,82.8 162.24,82.8 ; 162.24,82.8 162.24,79.88 162.81,79.88 164.27,78.42 165.67,78.42 v1(165.74,78.49) ; 162.24,82.8 163.2,82.8 R124.2
  Bottom w0.254: v1(195.96,79.06) 195.14,79.88 190.94,79.88 189.29,81.53 179.71,81.53 178.05,79.88 167.13,79.88 v1(165.74,78.49)
/Anschlußstecker/5V_IN_1: length 95.4
  Top w0.254: v1(30.99,41.53) 31.11,41.4 33.4,41.4 33.52,41.52 R65.2
  Top w0.508: Q8.3 33.7,44.05 33.52,43.87 R65.2
  Bottom w0.254: 50.8,102.87 52.45,102.87 53.34,101.98 53.34,97.92 52.44,97.02 52.43,97.02 52.11,96.7 49.02,96.7 49.02,96.65 45.47,96.65 45.21,96.39 45.21,92.9 30.67,92.9 29.53,91.76 29.53,83.25 30.48,82.3 30.48,60.45 30.1,60.07 30.1,51.44 30.35,51.18 30.35,46.36 32.13,44.58 32.13,42.67 v1(30.99,41.53)
/Anschlußstecker/5V_IN_2: length 91.3
  Top w0.508: Q10.3 30.08,43.29 v1(31.11,44.32) 32.02,45.22 R69.2
  Bottom w0.254: 50.29,97.79 51.94,97.79 52.58,98.43 52.58,101.4 52.27,101.7 47.98,101.7 47.62,101.35 44.07,101.35 43.94,101.22 43.94,94.04 30.04,94.04 28.38,92.39 28.38,82.61 29.21,81.79 29.21,60.96 28.38,60.13 28.38,47.94 29.72,46.61 29.72,45.72 v1(31.11,44.32)
/Anschlußstecker/5V_IN_3: length 75.5
  Top w0.254: 30.48,48.26 Q9.3 30.08,48.66 29.46,49.28 v1(29.46,49.72)
  Top w0.508: Q9.3 31.82,48.26
  Bottom w0.254: P13.4 45.33,100.45 44.58,99.69 44.58,93.73 44.32,93.47 30.42,93.47 28.96,92.01 28.96,82.93 29.85,82.04 29.85,60.71 29.46,60.33 v1(29.46,49.72)
/Anschlußstecker/5V_IN_4: length 91
  Top w0.254: Q11.3 32.64,39.5 v1(32.77,39.37) 33.15,38.99 36.07,38.99 36.32,39.24 36.32,42.55 37.47,43.69 37.47,44.96 36.69,45.73 R71.2
  Bottom w0.254: v1(32.77,39.37) 32.77,44.96 31.05,46.67 31.05,51.5 30.61,51.94 30.61,59.69 31.11,60.2 31.11,82.55 30.1,83.57 30.1,91.31 31.11,92.33 45.47,92.33 45.97,92.84 45.97,94.89 46.54,95.45 P13.6
/Anschlußstecker/5V_IN_5: length 108.3
  Top w0.254: 208.79,87.63 209.55,87.63 ; R118.2 154.43,52.32 152.27,54.48 152.27,56.9 152.51,57.13 Q34.3 154.05,57.78 154.69,58.42 v1(157.35,58.42) ; v1(175.77,41.91) 181.44,41.91 184.28,44.75 184.28,51.77 192.4,59.9 192.4,67.18 199.01,73.79 199.01,80.39 200.66,82.04 v1(200.66,84.65)
  Bottom w0.254: v1(200.66,84.65) 200.98,84.96 201.3,84.96 202.44,86.11 202.44,86.14 204.01,87.71 P2.3 ; v1(175.77,41.91) 173.61,44.07 173.61,50.29 167.26,56.64 164.08,56.64 162.31,58.42 v1(157.35,58.42)
/Anschlußstecker/5V_IN_6: length 77.9
  Top w0.254: 209.55,85.09 P2.4 ; 173.86,39.5 173.99,39.37 182.63,39.37 184.79,41.53 184.79,42.21 184.79,44.54 184.79,51.56 192.91,59.69 192.91,66.8 199.64,73.53 199.64,80.14 201.49,81.98 v1(201.49,83.63) ; 169.35,38.35 170.18,38.35
  Top w0.48: 173.86,39.5 171.32,39.5 170.18,38.35 R61.2 ; 173.85,39.51 Q6.3
  Bottom w0.254: v1(201.49,83.63) 201.49,84.14 202.56,85.22 204.15,85.22 204.15,85.21 P2.4
/Anschlußstecker/5V_IN_7: length 103.5
  Top w0.254: Q33.3 160.66,58.42 v1(165.99,58.42) R116.2 ; 209.55,102.87 209.3,102.87 ; v1(175.39,46.99) 182.63,46.99 183.26,47.62 183.26,50.04 183.26,52.19 191.14,60.06 191.14,67.69 197.74,74.3 197.74,80.64 199.07,81.98 199.07,85.28 199.96,86.17 202.88,86.17 203.96,87.25 203.96,102.49 204.42,102.95 P3.3
  Bottom w0.254: v1(175.39,46.99) 175.39,50.29 167.26,58.42 v1(165.99,58.42)
/Anschlußstecker/5V_IN_8: length 89.4
  Top w0.254: 208.66,100.33 209.55,100.33 ; P3.4 204.84,100.45 204.53,100.14 204.53,86.93 203.14,85.53 200.22,85.53 199.82,85.14 199.82,81.97 198.37,80.52 198.37,74.04 191.77,67.44 191.77,59.98 183.77,51.98 183.77,44.96 183.32,44.51 172.78,44.51
  Top w0.48: Q7.3 173.85,45.58 172.34,44.07 169.35,44.07
/Anschlußstecker/5V_IN_9: length 58.8
  Top w0.254: 173.99,35.16 Q5.3 ; Q5.3 173.92,35.23 ; Q5.3 174.86,34.29 181.48,34.29 181.48,36.79 185.8,41.11 185.8,44.12 185.8,50.76 194.18,59.14 194.18,66.46 200.23,72.51 P1.4
  Top w0.48: 173.92,38.35 173.92,35.23
/Anschlußstecker/5V_IN_10: length 95.9
  Top w0.254: v1(155.83,52.83) 156.99,51.93 Q35.3 ; v1(160.78,53.85) 162.81,53.85 162.94,53.72 R120.2 ; P1.3 193.61,66.69 193.61,59.67 185.29,51.35 185.29,44.33 185.29,41.32 180.8,36.83 v1(175.77,36.83)
  Bottom w0.254: v1(175.77,36.83) 172.34,40.26 172.34,49.66 166.75,55.25 163.7,55.25 162.05,56.9 160.78,56.9 v1(160.78,53.85) 155.83,53.85 v1(155.83,52.83)
/Anschlußstecker/5V_IN_11: length 39.9
  Top w0.254: 166.5,82.54 Q36.3 166.74,82.53 166.43,82.8 172.59,82.8 ; 172.59,82.8 172.59,83.95 170.05,86.49 v1(170.05,87.95) ; 172.59,82.8 R122.2
  Bottom w0.254: v1(170.05,87.95) 170.05,88.96 187.2,88.96 192.26,83.9 P41.3
GND: length 2715.1
  Top w0.254: 145.1,19.11 U1.1 ; 269.75,24 270.51,23.24 270.51,22.61 270.76,22.35 270.76,18.03 269.49,16.76 269.49,16 ; 66.42,11.3 U7.4 ; U7.4 71.12,11.18 ; U7.4 67.42,10.29 ; U7.4 67.45,10.27 ; 110.11,27.81 SHIELD1.GND3 ; 88.13,13.59 U6.4 ; U6.4 89.03,12.69 ; U6.4 90.42,11.3 ; U6.4 90.55,11.17 ; 98.17,88.92 C26.2 ; 98.17,88.92 C20.2 ; 98.17,88.92 v1(98.17,89.03) ; C27.2 v1(107.06,89.03) C21.2 ; 116.1,88.9 C23.2 ; 116.1,88.9 C28.2 ; 116.1,88.9 v1(116.1,89) ; C24.2 v1(124.99,89.03) C29.2 ; 133.88,88.9 C25.2 ; 133.88,88.9 C30.2 ; 133.88,88.9 133.88,89 v1(133.86,89.03) ; 109.09,63.15 v1(109.09,63.25) D72.2 ; U8.2 38.43,41.53 38.33,41.63 C33.2 ; v1(43.31,62.29) 43.18,62.29 ; 34.04,87.63 34.8,86.87 34.8,82.68 34.67,82.55 IC1.12 ; v1(54.1,105.41) 54.1,94.36 51.44,91.69 51.44,87.76 50.73,87.06 Q23.2 ; v1(40.89,89.73) 40.83,89.66 R79.2 ; D25.2 197.04,59.75 198.29,61 P31.2 ; D70.2 118.36,63.15 ; P31.2 201.93,60.58 ; P31.2 201.93,60.45 ; 122.94,62 123.76,62 ; D68.2 103.5,63.15 ; Dual2.7 214.88,82.3 ; Dual2.7 215.01,82.55 ; Dual2.7 215.14,82.55 ; D64.2 99.69,63.15 ; 84.14,12.89 83.84,13.19 83.84,18.18 84.2,18.54 U14.2 U14.5 U15.2 ; U3.2 104.77,18.54 ; D24.2 131.19,63.15 ; D60.2 114.55,63.15 ; C41.2 93.7,16.85 93.13,16.85 92.81,17.17 92.81,18.01 93.34,18.54 U16.2 ; 81.03,18.54 U13.2 81.15,18.54 81.66,18.03 81.66,15.94 C40.2 82.3,14.92 C6.2 ; 82.3,13.59 C6.2 ; C6.2 82.3,14.35 ; C22.2 80.77,87.63 ; D16.2 127.51,63.15 ; C31.2 C19.2
  Top w0.508: 64.38,13.34 U7.4 ; U5.12 154.94,39.24 156.84,39.24 160.02,36.07 U5.7 ; U5.12 154.94,44.7 ; U5.12 U5.13 ; 140.34,38.73 144.53,38.73 145.42,37.85 145.42,35.03 ; 140.34,38.73 139.06,38.73 138.43,38.1 ; 140.34,38.73 U4.8 140.34,45.09 ; 138.43,38.1 134.11,38.1 132.72,36.7 U12.13 132.72,31.11 133.08,30.75 C17.2 C14.2 ; 138.43,38.1 C16.2 ; 95.25,11.56 U6.4 ; U6.4 92.7,9.15 ; U6.4 97.66,13.98 ; U6.4 94.8,11.12 C41.2 ; U9.13 118.74,38.23 120.27,38.23 ; 186.56,84.96 187.45,84.07 187.45,73.72 184.85,71.12 SHIELD1.GND5 SHIELD1.GND4 ; v1(186.56,90.21) 186.56,90.17 ; v1(87.76,88.9) 87.76,87.88 88.01,87.63 C19.2 ; 80.77,87.63 v1(79.5,88.9) ; 160.66,62.45 D30.2 ; 160.66,62.45 D34.2 D38.2 D52.2 D50.2 D62.2 144.65,63.05 144.55,63.15 138.68,63.15 ; 160.66,62.45 D27.2 ; 114.55,63.15 96.62,63.15 96.27,63.5 ; 114.55,63.15 121.29,63.15 121.29,62.23 121.51,62 124.46,62 124.71,62.26 124.71,63.15 135.76,63.15 ; 114.55,63.15 112.84,63.15 ; 135.76,63.15 138.68,63.15 ; 135.76,63.15 D56.2 ; 138.68,63.15 D54.2 D66.2 148.63,66.59 149.48,67.44 149.48,69.59 149.58,69.68 D48.2 D46.2 D44.2 D42.2 D40.2 D58.2 ; 147.19,8.31 147.21,8.32 147.21,6.92 ; 159.51,3.81 159.89,3.43 159.89,3.3 162.69,3.3 162.94,3.56 162.94,7.24 163.2,7.49 R13.2 ; U12.8 127.64,39.24 126.62,38.23 124.71,38.23 ; U12.8 127.64,40.26 ; U12.8 127.64,45.09 ; 124.71,38.23 120.27,38.23 ; 124.71,38.23 C15.2 ; v1(166.05,6.92) 165.48,7.49 R13.2 ; R13.2 164.26,7.95 ; R24.2 63.31,48.9 Q14.2 ; 68.58,52.96 68.25,52.63 R75.2 ; Q18.2 63.63,58.88 R80.2 68.58,58.88 ; R35.2 158.81,4.44 Q3.2 ; 47.24,19.05 47.22,19.03 C35.2 ; R73.2 147.21,6.77 147.21,6.92 ; 147.21,6.92 v1(145.67,6.92) 142.56,6.92 142.49,6.99 ; 120.27,38.23 116.33,38.23 115.44,39.12 114.05,39.12 113.66,39.5 113.66,45.09 ; C34.2 v1(25.4,3.68) 25.65,3.43 v1(43.69,3.43) ; 44.45,12.32 34.54,12.32 33.27,13.59 33.27,14.1 ; U2.GND 38.33,23.16 35.79,20.62 U2.GND ; v1(49.91,69.85) 49.97,69.91 Q1.2 ; v1(50.04,46.36) 50.02,46.36 ; v1(42.67,69.85) 43.18,69.34 43.18,60.07 ; v1(50.04,38.61) 50.02,38.61 ; 32.23,87.63 v1(33.4,87.63) 34.04,87.63 ; 32.23,87.63 C36.2 ; 32.23,87.63 P7.14 ; v1(43.31,62.29) 43.18,62.17 43.18,60.07 ; 43.18,60.07 v1(43.18,54.86) v1(43.18,51.31) 43.18,49.53 v1(43.43,49.28) ; C7.2 108.2,17.38 108.2,15.49 106.81,14.1 101.85,14.1 ; 215.01,34.29 Dual1.7 214.76,34.29 ; Q14.2 63.31,50.35 ; Q14.2 63.31,50.36 ; 98.68,14.1 101.85,14.1 ; 101.85,14.1 101.75,14.2 101.75,18.52 101.73,18.54 ; D75.2 130.81,45.09 ; Dual2.7 213.74,82.55 211.46,80.26 211.46,75.18 211.24,74.97 P21.2 ; 101.73,18.54 102.16,18.54 102.2,18.59 103.12,18.59 103.16,18.54 U3.2 ; 101.73,18.54 U10.5 ; R11.2 136.07,50.05 ; P35.2 69.76,90.21 72.27,92.72 78.61,92.72 80.92,90.41 C32.2 C22.2 80.93,87.62 ; 128.35,80.64 128.35,79.25 ; C9.1 109.22,33.02 ; Q16.2 68.58,55.13 ; U16.2 U16.5 U10.2 ; 80.93,79.25 80.92,79.25 ; R136.2 128.78,45.09